# Altium PCB LA200-GZ.PcbDoc
Units mil, origin at the board's own origin, x right, y up, seen from the top; angles counter-clockwise.
Board outline 3789.56 x 3553.34 mil, 4 copper layers (Top Layer, GND, VCC, Bottom Layer), stack 30.634 mil thick; 139 components, 86 nets, 416 pads, 289 vias.
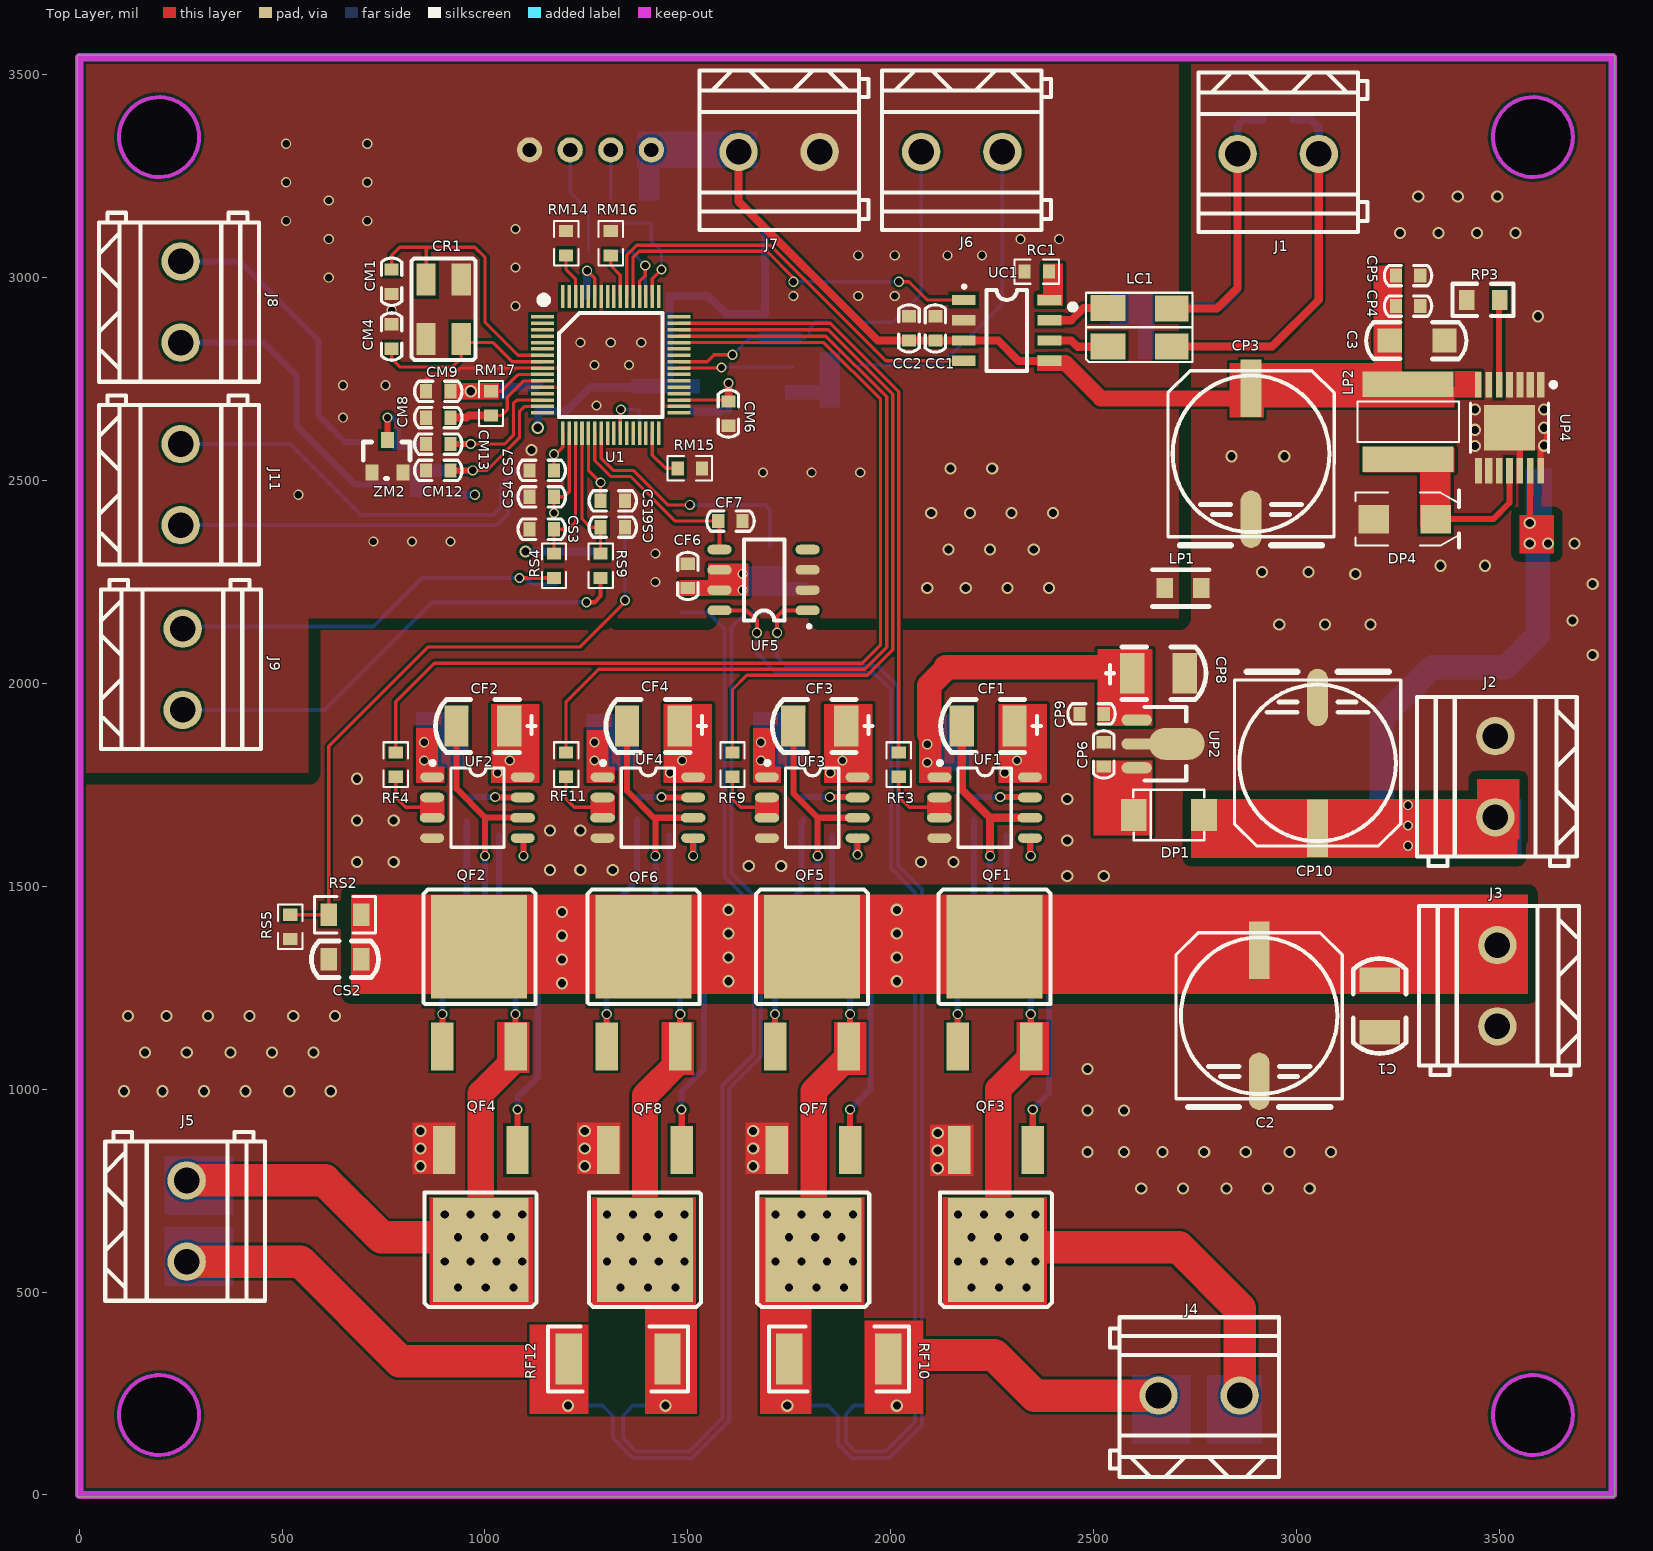
[diagram p0: Top Layer view]
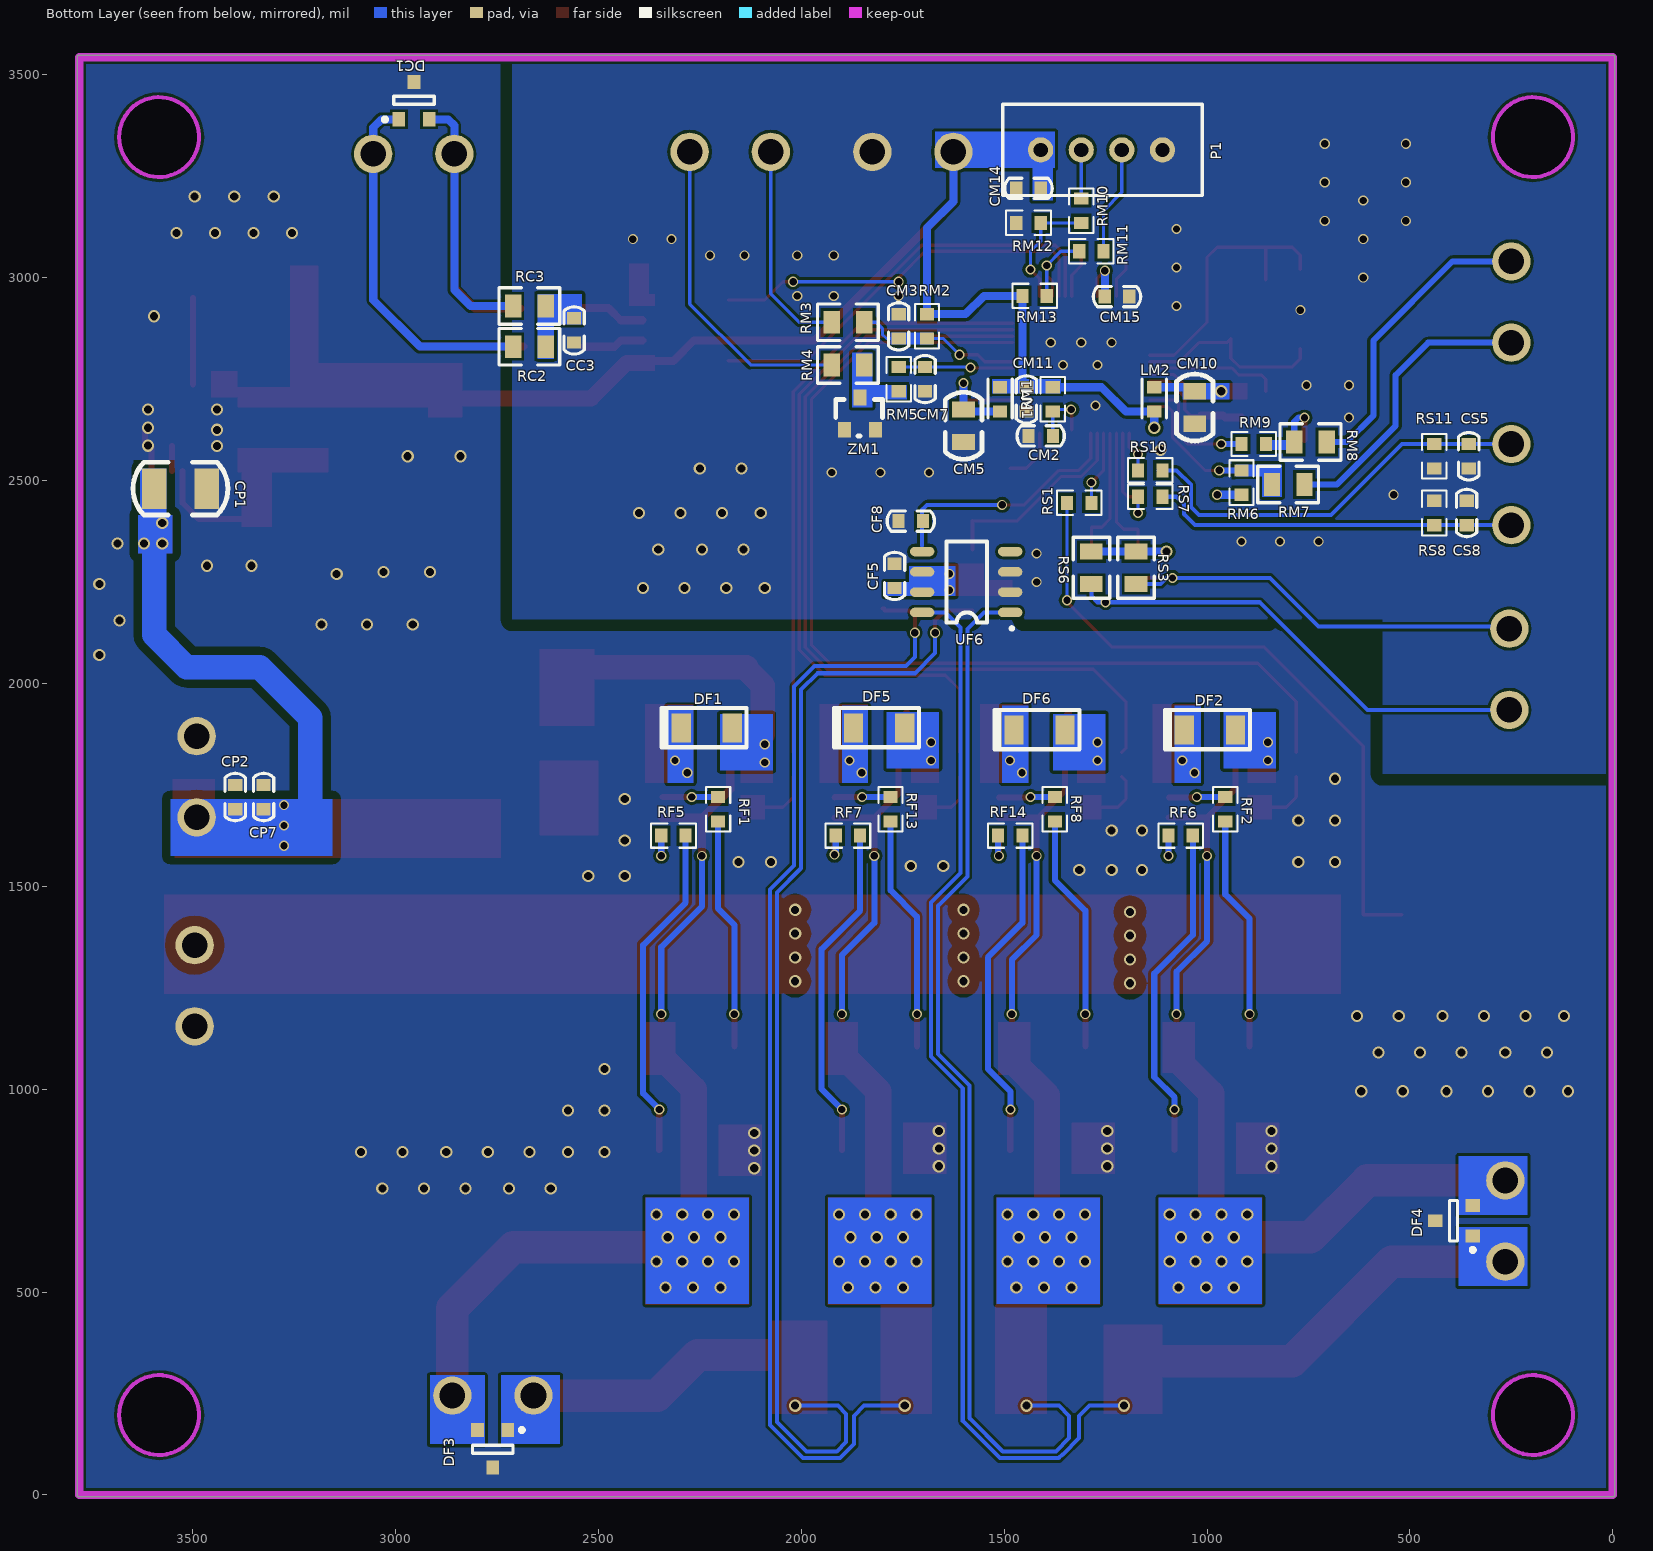
[diagram p1: Bottom Layer view, seen from below]
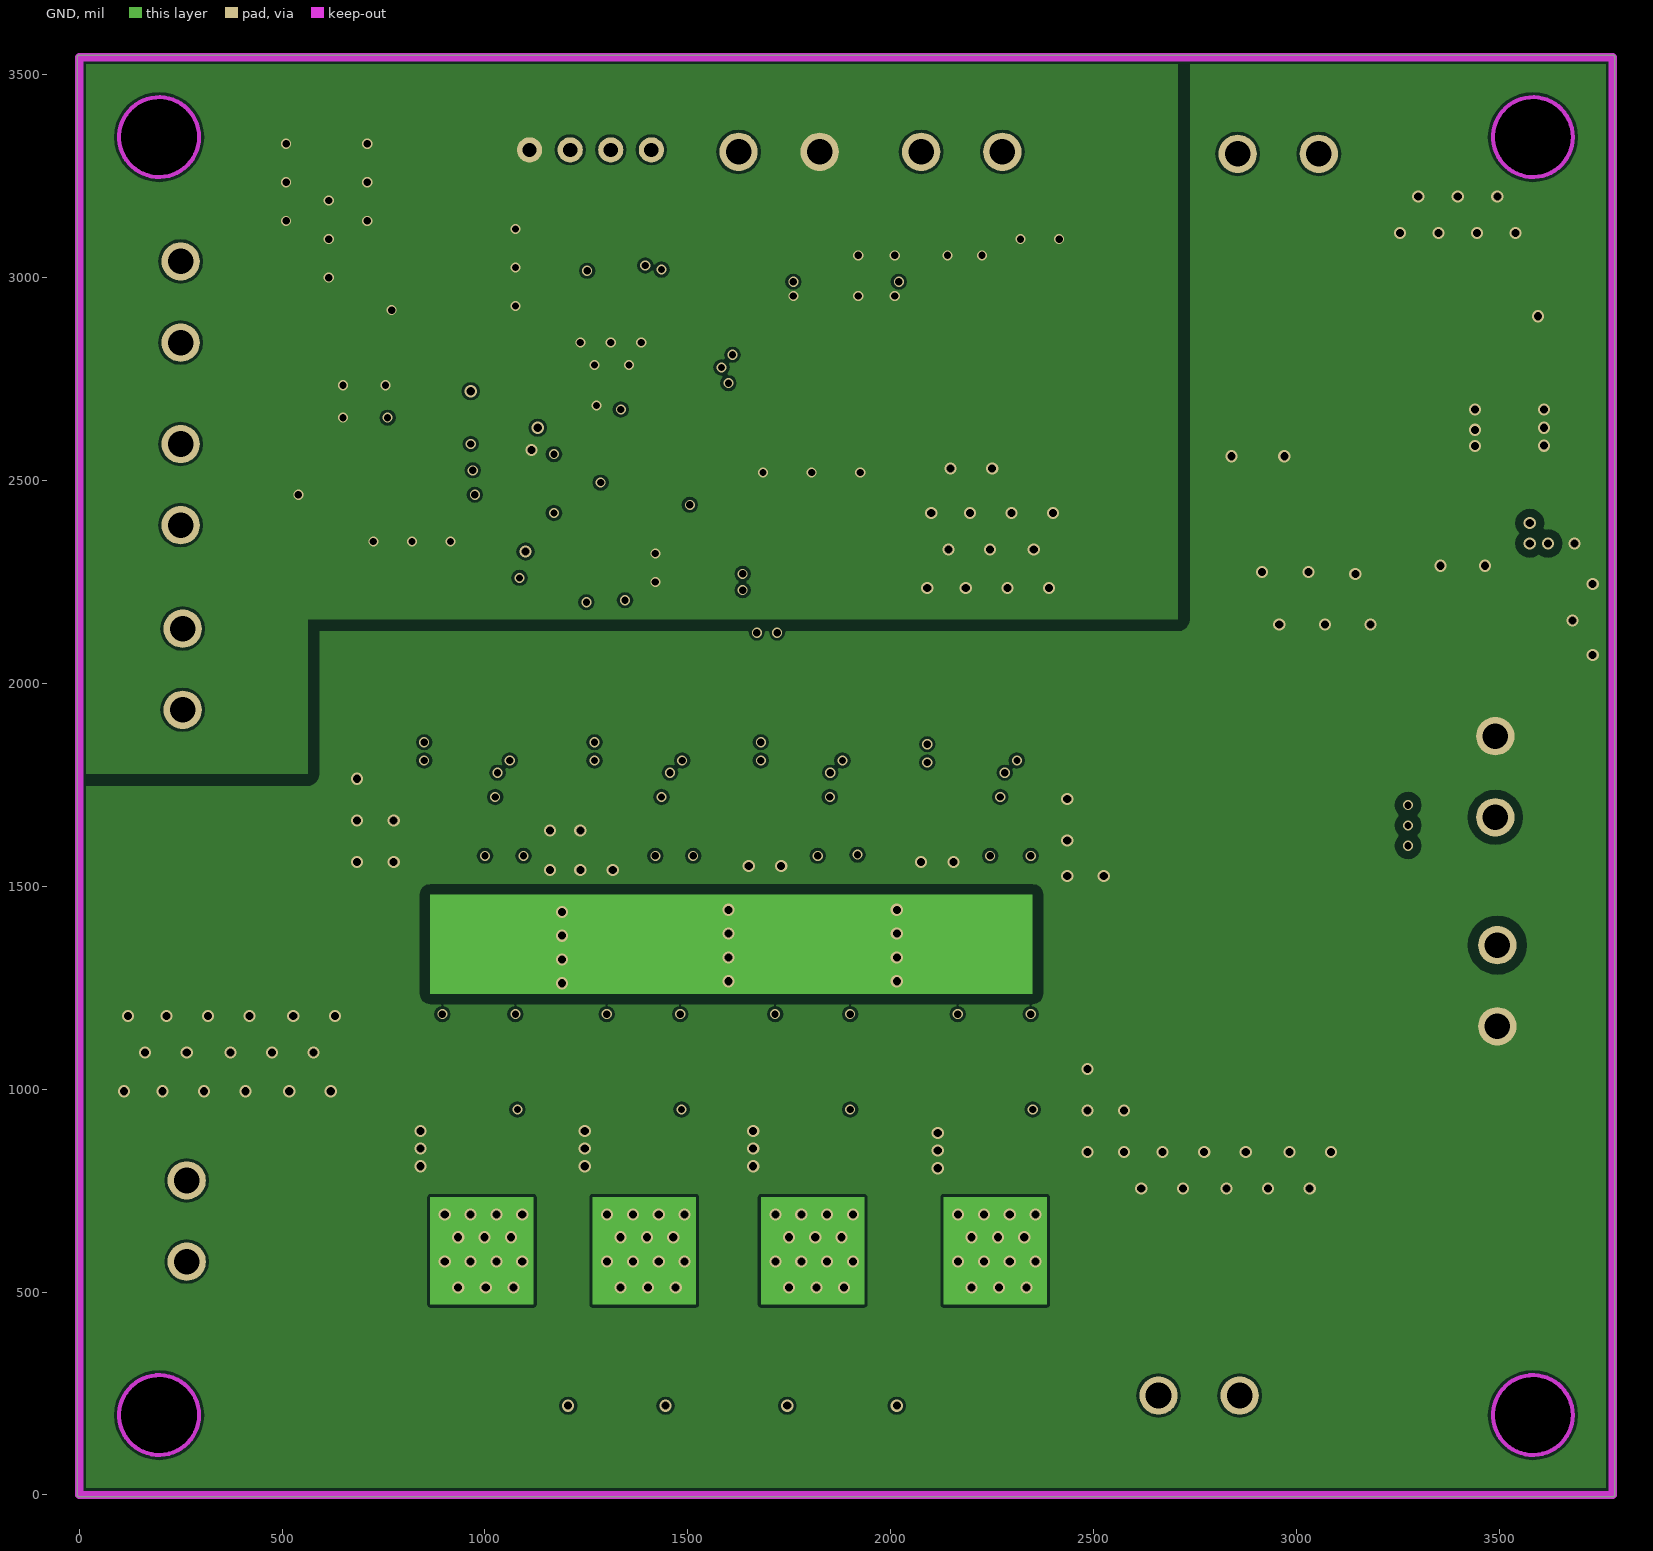
[diagram p2: GND]
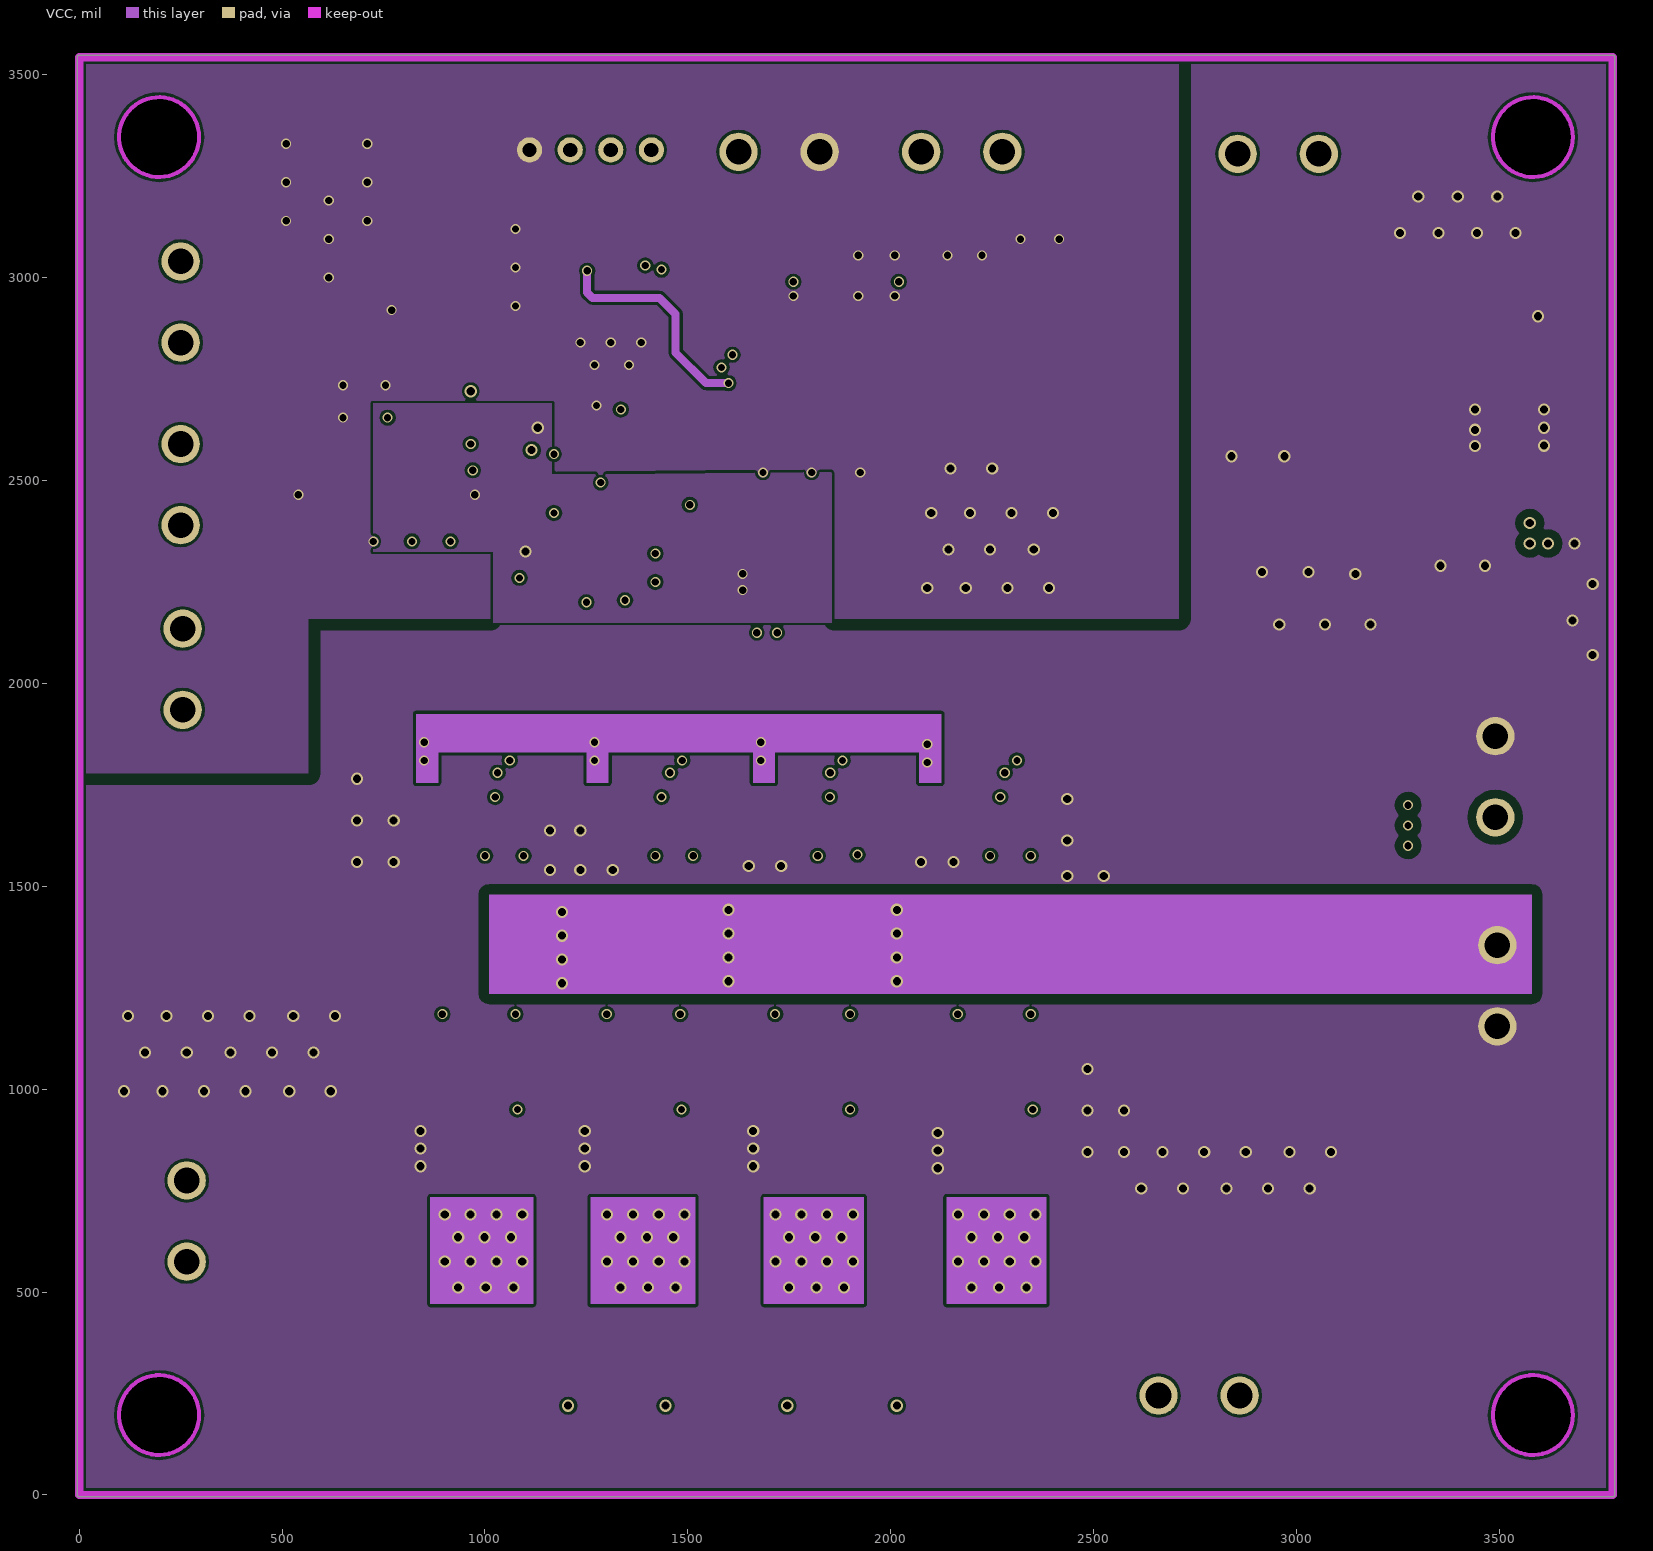
[diagram p3: VCC]
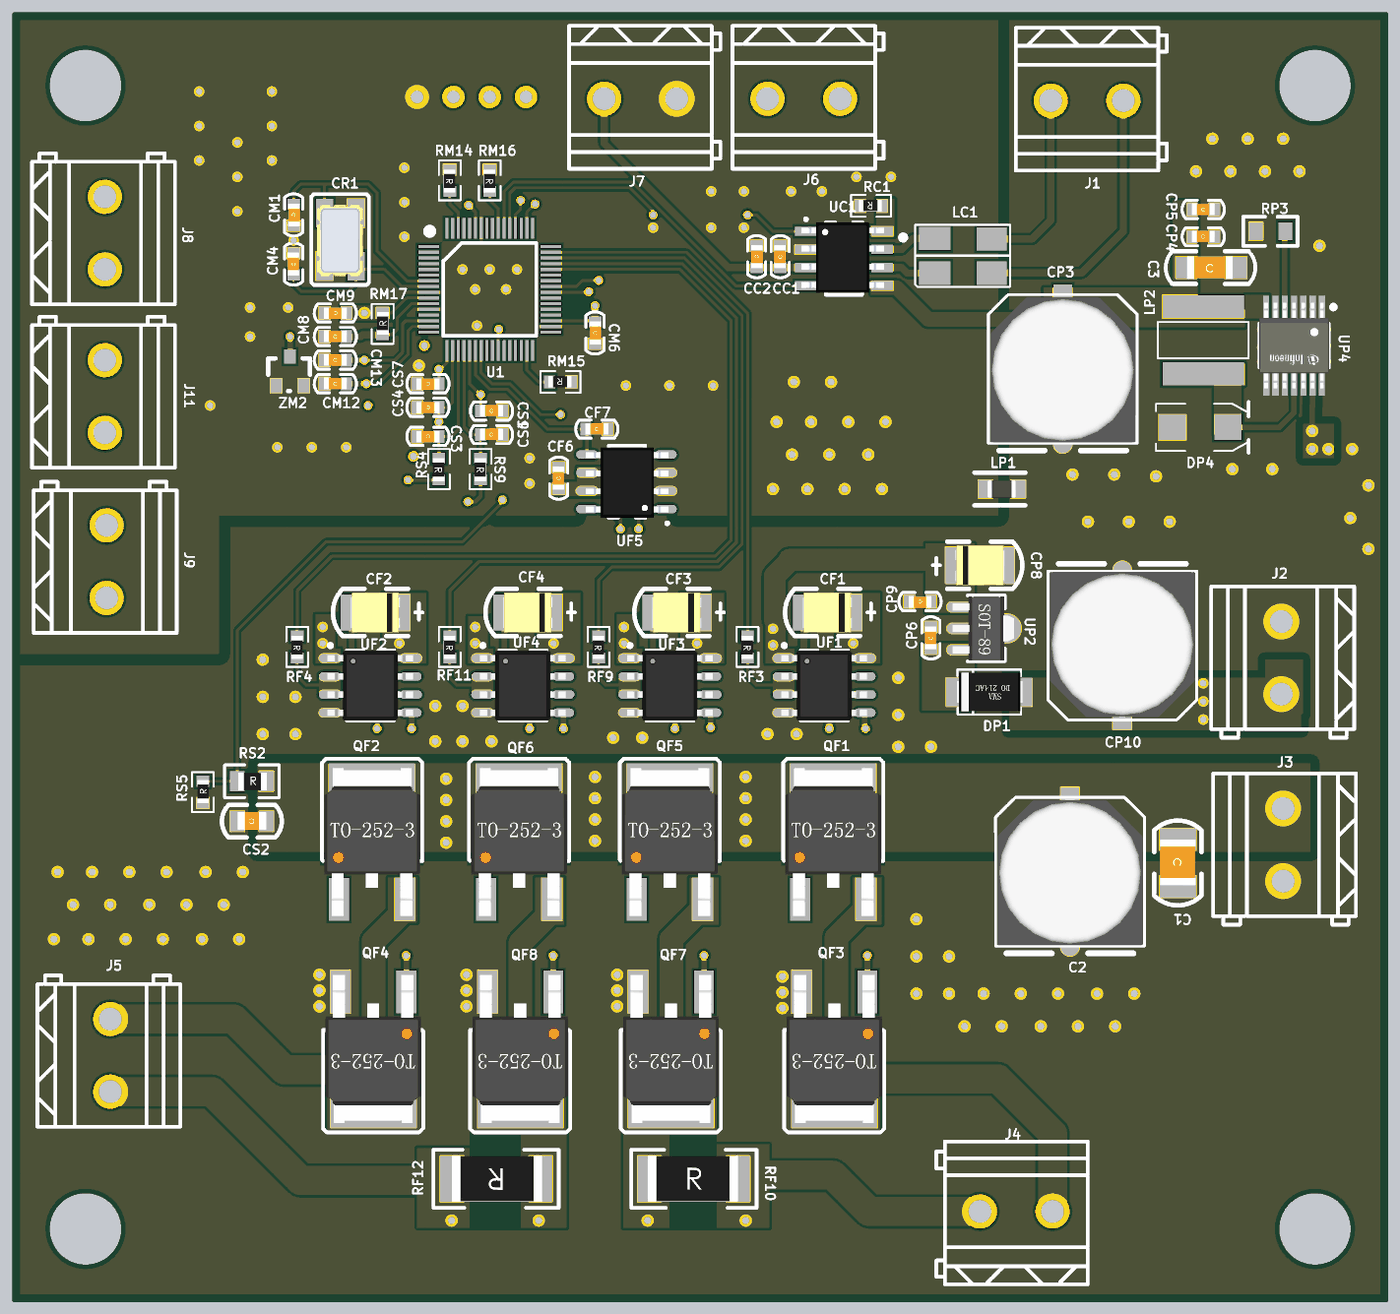
[diagram p4: 3D render of the assembled board from above, using the file's embedded part models]
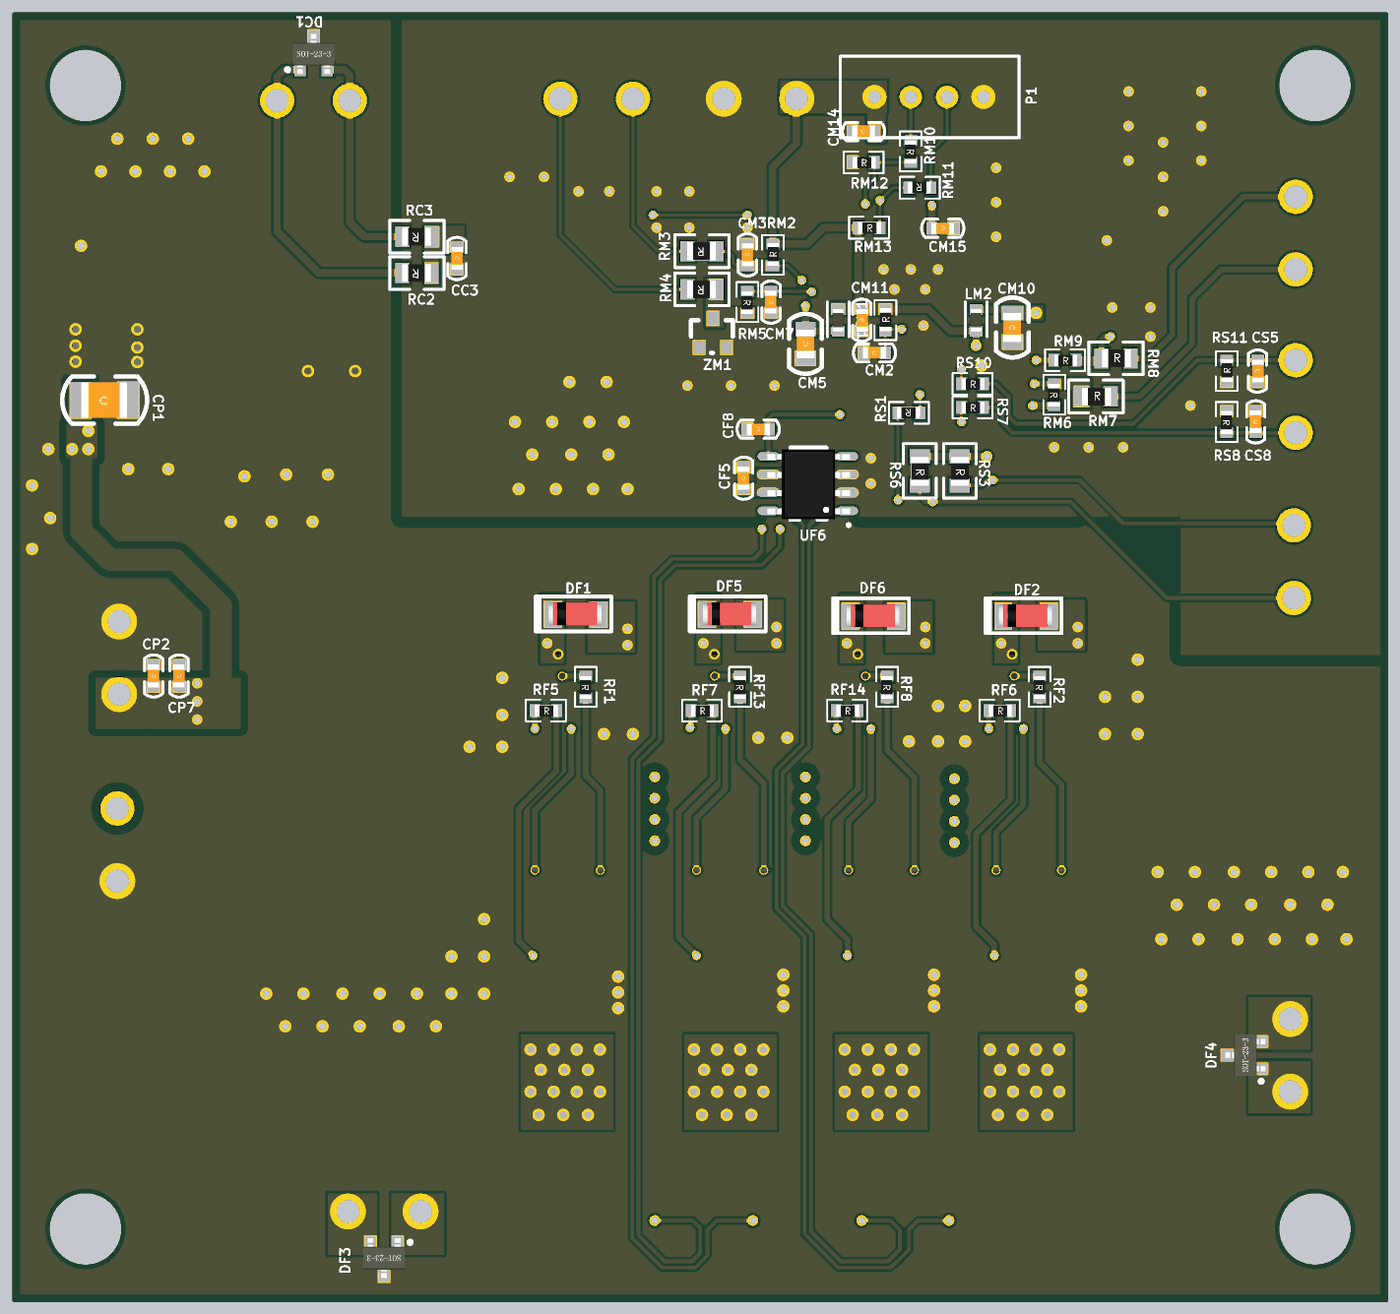
[diagram p5: 3D render of the assembled board from below, using the file's embedded part models]

## Layer stack, top to bottom
Top Solder: solder mask 0.4, Solder Resist, Dk 3.5
Top Layer: signal copper 1.4
Dielectric 1: core 10, FR-4, Dk 4.2
GND: signal copper 1.417
Dielectric 3: core 10, Dk 4.2
VCC: signal copper 1.417
Dielectric 2: prepreg 5, Dk 4.2
Bottom Layer: signal copper 1.4
Bottom Solder: solder mask 0.4, Solder Resist, Dk 3.5

## Board outline
-5.01,0 ccw(c0,0) 0,-5.01 3779.53,-5.01 ccw(c3779.53,0) 3784.54,0 3784.54,3543.31 ccw(c3779.53,3543.31) 3779.53,3548.32 0,3548.32 ccw(c0,3543.31) -5.01,3543.31
cut-out: 98.43,3346.46 ccw(c196.85,3346.46) 196.85,3248.03 ccw(c196.85,3346.46) 295.28,3346.46 ccw(c196.85,3346.46) 196.85,3444.88 ccw(c196.85,3346.46)
cut-out: 3484.25,3346.46 ccw(c3582.68,3346.46) 3582.68,3248.03 ccw(c3582.68,3346.46) 3681.1,3346.46 ccw(c3582.68,3346.46) 3582.68,3444.88 ccw(c3582.68,3346.46)
cut-out: 3484.25,196.85 ccw(c3582.68,196.85) 3582.68,98.43 ccw(c3582.68,196.85) 3681.1,196.85 ccw(c3582.68,196.85) 3582.68,295.28 ccw(c3582.68,196.85)
cut-out: 98.43,196.85 ccw(c196.85,196.85) 196.85,98.43 ccw(c196.85,196.85) 295.28,196.85 ccw(c196.85,196.85) 196.85,295.28 ccw(c196.85,196.85)

## Design rules (kind name [scope] priority, off if disabled: settings)
Clearance IGN1 [InNet('PGND') vs InNet('GND')] p1: gap=30
Clearance Clearance_5 [InNet('VBAT')] p2: gap=25
Clearance Clearance_4 [InNet('MAIN_PWR')] p3 off: gap=20
Clearance MARK1 [InNet('MARK1')] p4: gap=22
Clearance MARK2 [InNet('MARK2')] p5: gap=22
Clearance LOW2_OUT [InNet('LOW2_OUT')] p6 off: gap=10
Clearance Clearance_2 [InPolygon vs OnLayer('Keep-Out Layer')] p7 off: gap=15
Clearance VBAT [InNet('VBAT')] p8: gap=30
Clearance "POWER 28v" [InNet('28V')] p9: gap=20
Clearance VCC_5V [InNet('VCC_5V')] p10 off: gap=10
Clearance VPROT_5V [InNet('VPROT_5V')] p11 off: gap=10
Clearance [All] p12 off: gap=20
Clearance Clearance_1 [All] p13 off: gap=10
Clearance Clearance_3 [All] p14: gap=7
ComponentClearance [All] p1: gap=0 collisioncheckmode=3 verticalgap=0 showdistances=TRUE
Height [All] p1 off: minheight=0 maxheight=10000 prefheight=500
HoleSize [All] p1: absolutevalues=TRUE maxlimit=2000 minlimit=0 maxpercent=80.000 minpercent=20.000
HoleToHoleClearance [All] p1: gap=5 allowstackedmicrovias=TRUE
MinimumSolderMaskSliver [All] p1: minsoldermaskwidth=0
MinimumSolderMaskSliver SilkscreenOverComponentPads [All] p2: minsoldermaskwidth=10
NetAntennae [All] p1: netantennaetolerance=5
PlaneClearance PlaneClearance_4 [InNet('KEY')] p1: clearance=30
PlaneClearance PlaneClearance_3 [InNet('VBAT')] p2: clearance=30
PlaneClearance PlaneClearance_2 [InNet('INJOUT1')] p3: clearance=25
PlaneClearance PlaneClearance_1 [InNet('IGN1')] p4: clearance=40
PlaneClearance [All] p5: clearance=20
PlaneConnect [All] p1: planeconnectstyle=Direct reliefexpansion=20 reliefentries=4 reliefconductorwidth=10 reliefairgap=10
PolygonConnect [IsPoly vs IsVia] p1: connectstyle=Direct reliefconductorwidth=10 reliefentries=4 polygonreliefangle="90 Angle" airgapwidth=10
PolygonConnect PolygonConnect_1 [All] p2: connectstyle=Direct reliefconductorwidth=15 reliefentries=4 polygonreliefangle="90 Angle" airgapwidth=20
RoutingLayers [All] p1: top layer_v5=TRUE mid layer 1_v5=FALSE mid layer 2_v5=TRUE bottom layer_v5=TRUE
RoutingVias [All] p1: holewidth=60 width=100 viastyle="Through Hole" minholewidth=16 minwidth=24 maxholewidth=20 maxwidth=35
SilkToSilkClearance [All] p1 off: silktosilkclearance=0
SilkToSolderMaskClearance [IsPad] p1: minsilkscreentomaskgap=0 clearancetoexposedcopper=TRUE
SolderMaskExpansion [All] p1: expansion=2
Width [All] p1: maxlimit=200 minlimit=6 preferedwidth=10 minimp=50.000000 maximp=50.000000 favimp=50.000000
19 further rules are at their usual default settings.

## Components (designator, comment, footprint, x,y, rotation, side; value= is the part's Value field where it differs from the comment)
C1 "C1210 0.1uF/100V" C1210 3205,1270 r270 top
C2 "E10T10_220uF/50V" E10T10 2905,1020 r90 top
C3 "C1206 10uF/50V" C1206 3230,2845 r0 top
CC1 "C0603_0.1uF" C0603 2110,2845 r90 top
CC2 "C0603_1uF/10V" C0603 2045,2905 r270 top
CC3 "C0603_4.7nF" C0603 2560,2900 r270 bottom
CF1 "CtanB_10uF" CTANB 2305,1895 r180 top
CF2 "CtanB_10uF" CTANB 1060,1895 r180 top
CF3 "CtanB_10uF" CTANB 1890,1895 r180 top
CF4 "CtanB_10uF" CTANB 1480,1895 r180 top
CF5 "C0603_0.1uF/50V" C0603 1770,2235 r90 bottom
CF6 "C0603_0.1uF/50V" C0603 1500,2235 r90 top
CF7 "C0603_100pF/50V" C0603 1575,2400 r0 top
CF8 "C0603_100pF/50V" C0603 1700,2400 r0 bottom
CM1 "C0603_15pF/50V" C0603 770,3020 r270 top
CM2 "C0603 0.1uF/50V" C0603 1440,2610 r180 bottom
CM3 "C0603_100pF/50V" C0603 1760,2910 r270 bottom
CM4 "C0603_15pF/50V" C0603 770,2825 r90 top
CM5 "C0805_10uF/16V" C0805 1600,2595 r90 bottom
CM6 "C0603 0.1uF/50V" C0603 1600,2695 r270 top
CM7 "C0603_100pF/50V" C0603 1695,2720 r90 bottom
CM8 "C0603 0.1uF/50V" C0603 855,2655 r0 top
CM9 "C0603 0.1uF/50V" C0603 915,2720 r180 top
CM10 "C0805_10uF/16V" C0805 1030,2720 r270 bottom
CM11 "C0603 0.1uF/50V" C0603 1445,2730 r270 bottom
CM12 "C0603_100pF/50V" C0603 855,2525 r0 top
CM13 "C0603_100pF/50V" C0603 855,2590 r0 top
CM14 "C0603 0.1uF/50V" C0603 1470,3220 r180 bottom
CM15 "C0603 0.1uF/50V" C0603 1191.89,2953.31 r0 bottom
CP1 "C1210_10uF/50V" C1210 3595,2480 r180 bottom
CP2 "C0603_0.1uF/50V" C0603 3395,1690 r90 bottom
CP3 "CE101010M-470uF/25V" E10T10 2885,2405 r90 top
CP4 "C0603_0.1uF/50V" C0603 3245,2930 r0 top
CP5 "C0603 10nF/50V" C0603 3245,3005 r0 top
CP6 "C0603_0.22uF/50V" C0603 2525,1795 r90 top
CP7 "C0603_0.1uF/50V" C0603 3325,1690 r90 bottom
CP8 "CtanB_10uF/25V" CTANB 2595,2025 r0 top
CP9 "C0603_0.1uF/50V" C0603 2525,1925 r180 top
CP10 "E10T10_220uF/50V" E10T10 3055,1965 r270 top
CR1 "8MHz" "5.0*3.2*0.9mm AB" 855,2995 r270 top
CS1 "C0603 1uF/50V" C0603 1285,2450 r0 top
CS2 "C0805_1nF/100V" C0805 695,1320 r180 top
CS3 "C0603 0.1uF/50V" C0603 1170,2380 r180 top
CS4 "C0603_0.1uF/50V" C0603 1170,2460 r180 top
CS5 "C0603_10nF/50V" C0603 360,2390 r90 bottom
CS6 "C0603 0.1uF/50V" C0603 1285,2385 r0 top
CS7 "C0603_0.1uF/50V" C0603 1170,2525 r180 top
CS8 "C0603_10nF/50V" C0603 355,2590 r270 bottom
DC1 "SZNUP2105LT1G" SOT-23 2990,3390 r180 bottom
DF1 "LL4148" SOD-80 2170,1890 r0 bottom
DF2 "LL4148" SOD-80 930,1885 r0 bottom
DF3 "SM36T1G" SOT-23 2725,160 r0 bottom
DF4 "SM36T1G" SOT-23 345,640 r90 bottom
DF5 "LL4148" SOD-80 1745,1890 r0 bottom
DF6 "LL4148" SOD-80 1350,1885 r0 bottom
DP1 "FM404" D0-214AC 2680,1675 r180 top
DP4 "B360A" SMA-DIODE 3185,2405 r0 top
J1 "2Pin 5.08mm" CONN-TH_2P-P5.08_DB128L-5.08-2P 2955,3305 r180 top
J2 "2Pin 5.08mm" CONN-TH_2P-P5.08_DB128L-5.08-2P 3490,1770 r90 top
J3 "2Pin 5.08mm" CONN-TH_2P-P5.08_DB128L-5.08-2P 3495,1255 r90 top
J4 "2Pin 5.08mm" CONN-TH_2P-P5.08_DB128L-5.08-2P 2760,245 r0 top
J5 "2Pin 5.08mm" CONN-TH_2P-P5.08_DB128L-5.08-2P 265,675 r270 top
J6 "2Pin 5.08mm" CONN-TH_2P-P5.08_DB128L-5.08-2P 2175,3310 r180 top
J7 "2Pin 5.08mm" CONN-TH_2P-P5.08_DB128L-5.08-2P 1725,3310 r180 top
J8 "2Pin 5.08mm" CONN-TH_2P-P5.08_DB128L-5.08-2P 250,2940 r270 top
J9 "2Pin 5.08mm" CONN-TH_2P-P5.08_DB128L-5.08-2P 255,2035 r270 top
J11 "2Pin 5.08mm" CONN-TH_2P-P5.08_DB128L-5.08-2P 250,2490 r270 top
LC1 "10M/1K" ACT45B 2480,2790 r0 top
LM1 "ILBB0603ER102V" L0603 1510,2730 r270 bottom
LM2 "ILBB0603ER102V" L0603 1130,2730 r270 bottom
LP1 "MPZ2012S221ATD25" "L 0805" 2765,2235 r180 top
LP2 "NR6045T220M" L_6045 3275,2645 r90 top
P1 "4PIN/2.54mm/1A/250V" IDC-SIP-4P-2.54 1110,3315 r0 bottom
QF1 "FDD86567-F085" TO-252-3 2165,1105 r0 top
QF2 "FDD86567-F085" TO-252-3 895,1105 r0 top
QF3 "FDD86567-F085" TO-252-3 2350,850 r180 top
QF4 "FDD86567-F085" TO-252-3 1080,850 r180 top
QF5 "FDD86567-F085" TO-252-3 1715,1105 r0 top
QF6 "FDD86567-F085" TO-252-3 1300,1105 r0 top
QF7 "FDD86567-F085" TO-252-3 1900,850 r180 top